# Altium PCB XDS110_MINI_REL_0_2_20211031.PcbDoc
Units mil, origin at the board's own origin, x right, y up, seen from the top; angles counter-clockwise.
Board outline 965 x 1676.48 mil, 4 copper layers (Top Layer, Layer 1, Layer 2, Bottom Layer), stack 30.394 mil thick; 78 components, 75 nets, 423 pads, 109 vias.
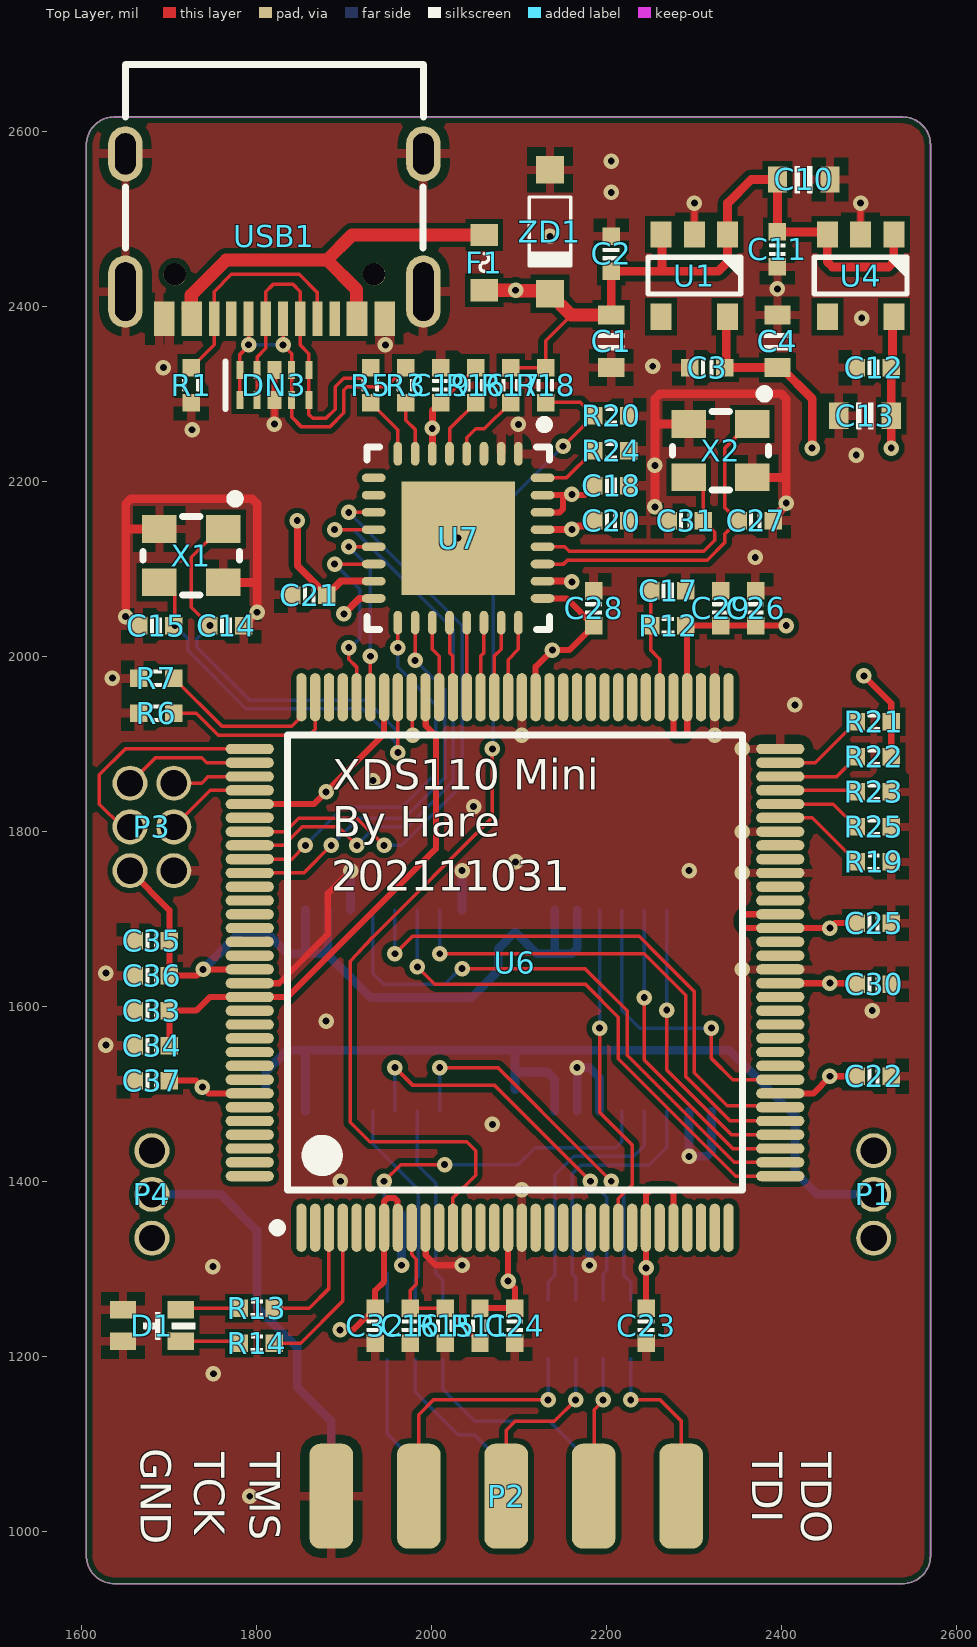
[diagram p0: Top Layer view]
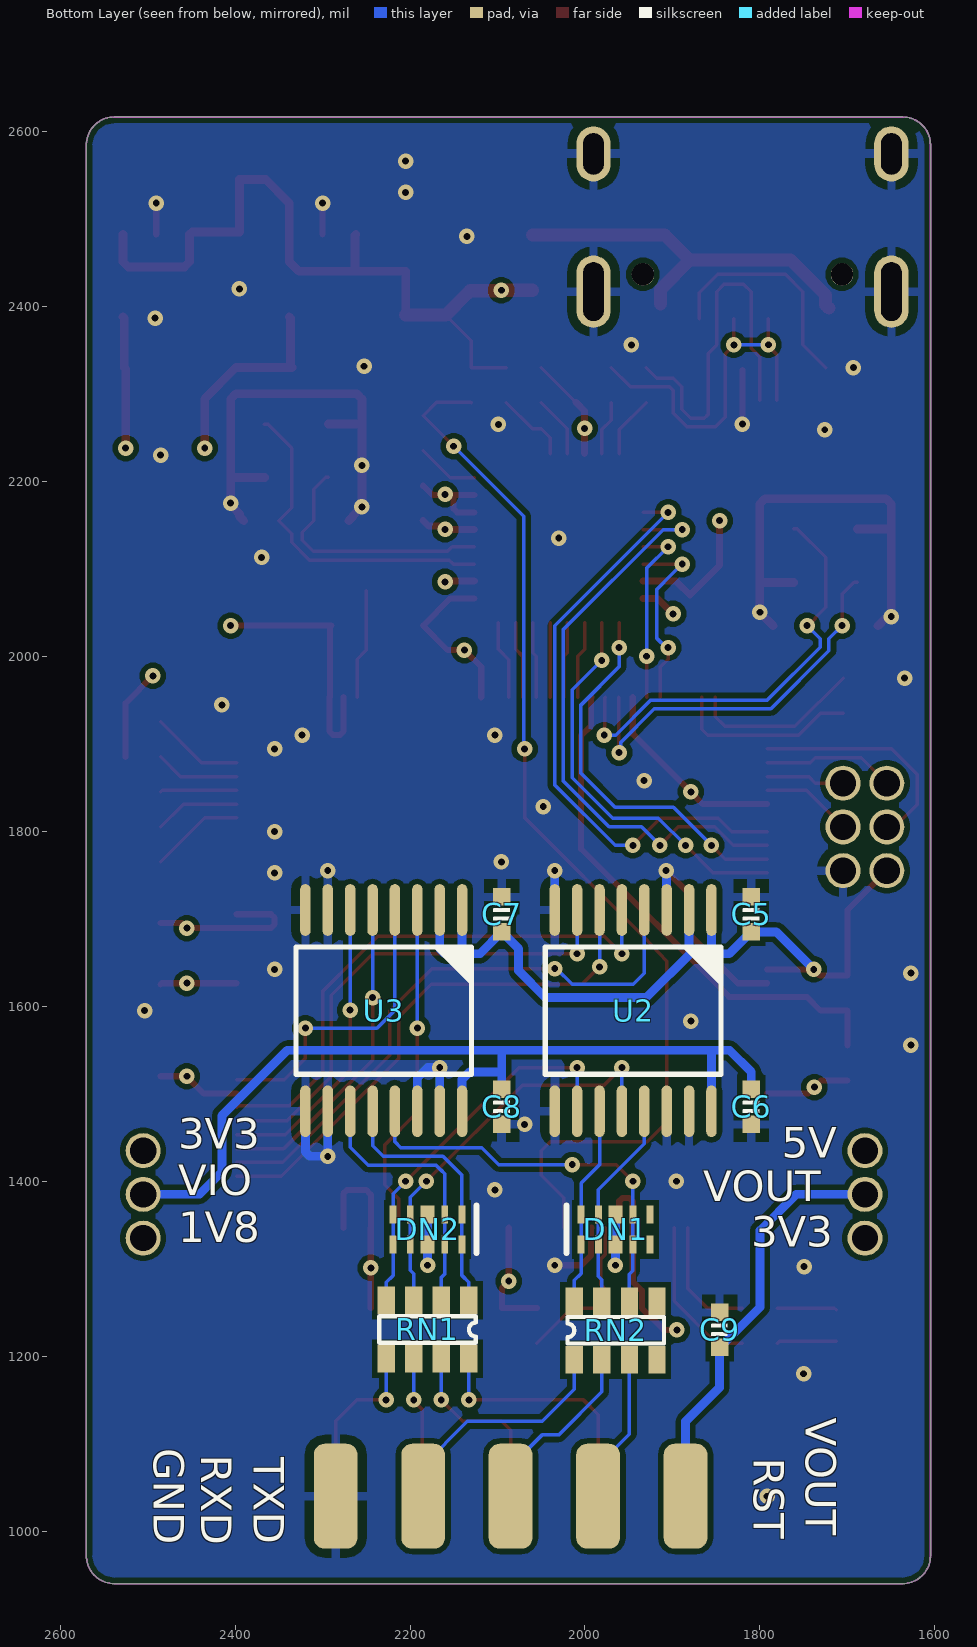
[diagram p1: Bottom Layer view, seen from below]
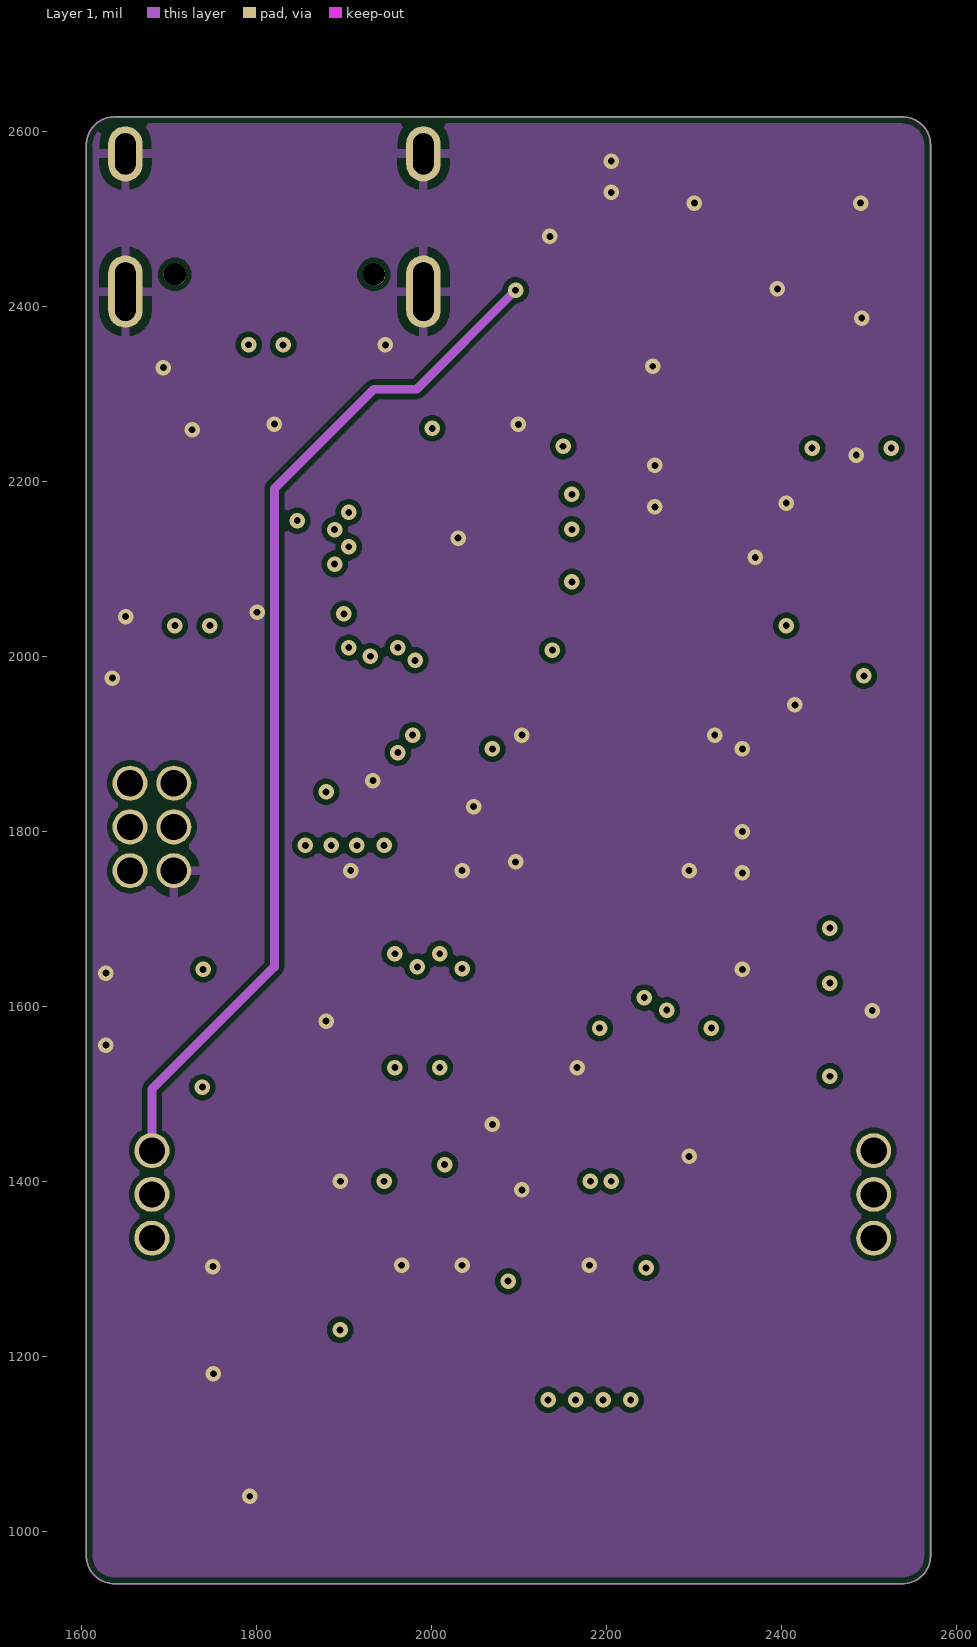
[diagram p2: Layer 1]
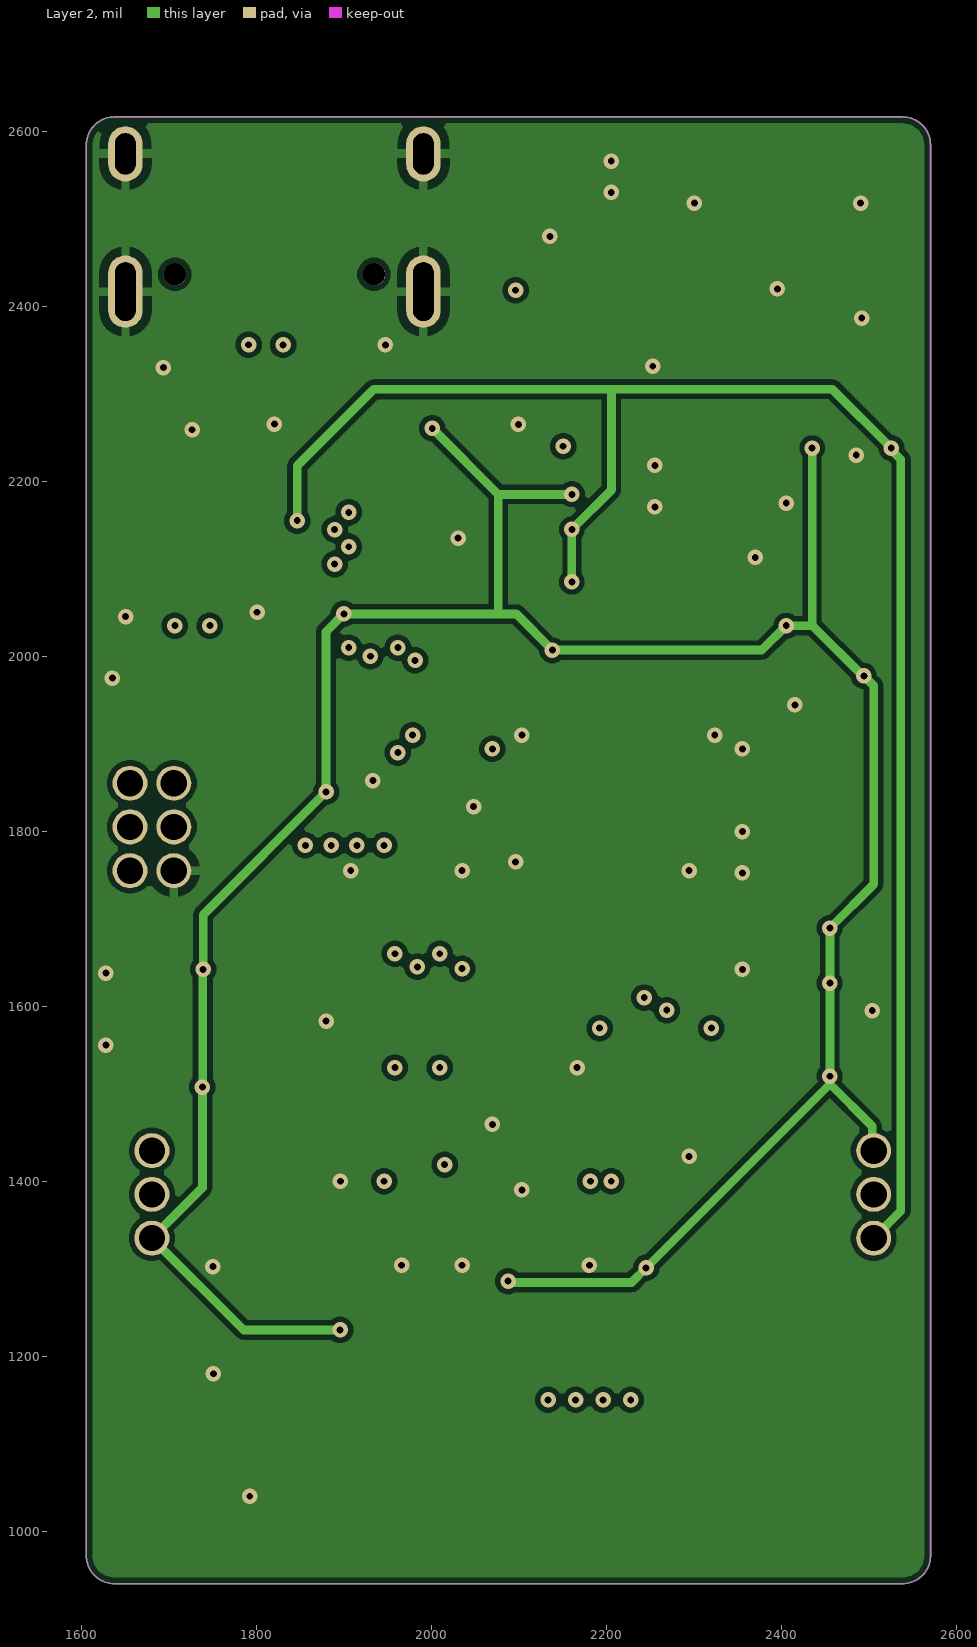
[diagram p3: Layer 2]
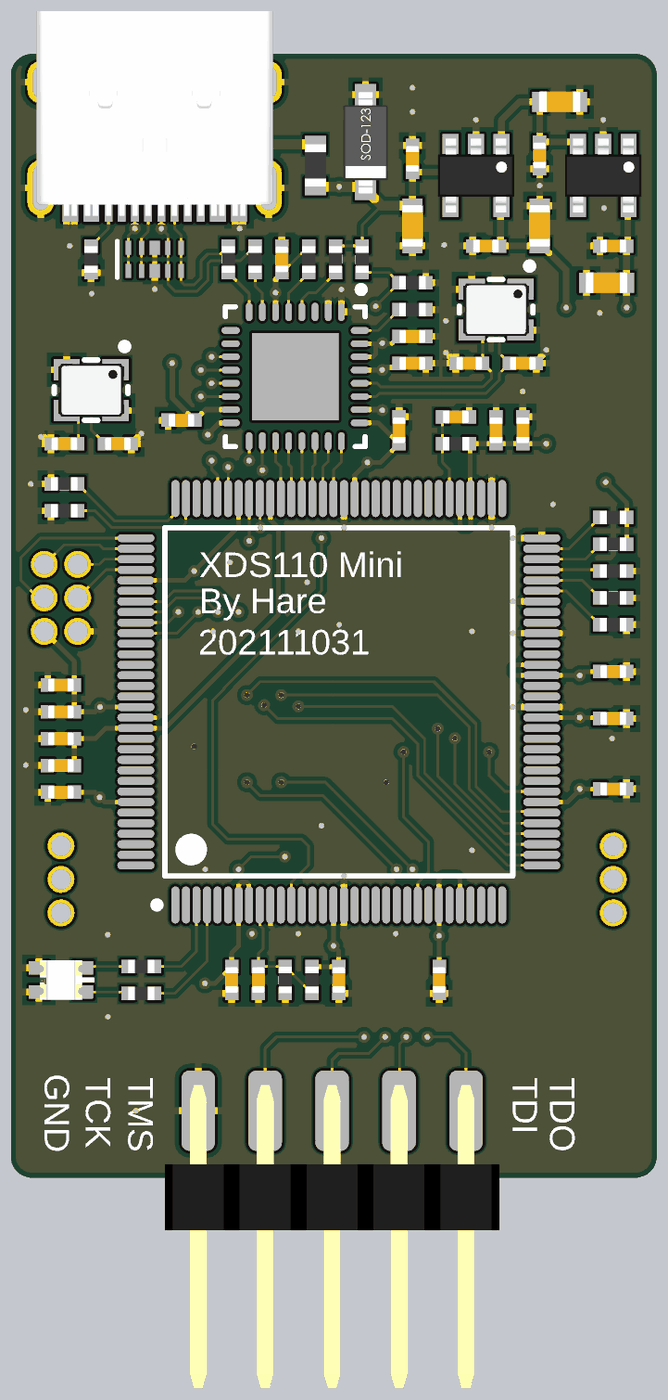
[diagram p4: 3D render of the assembled board from above, using the file's embedded part models]
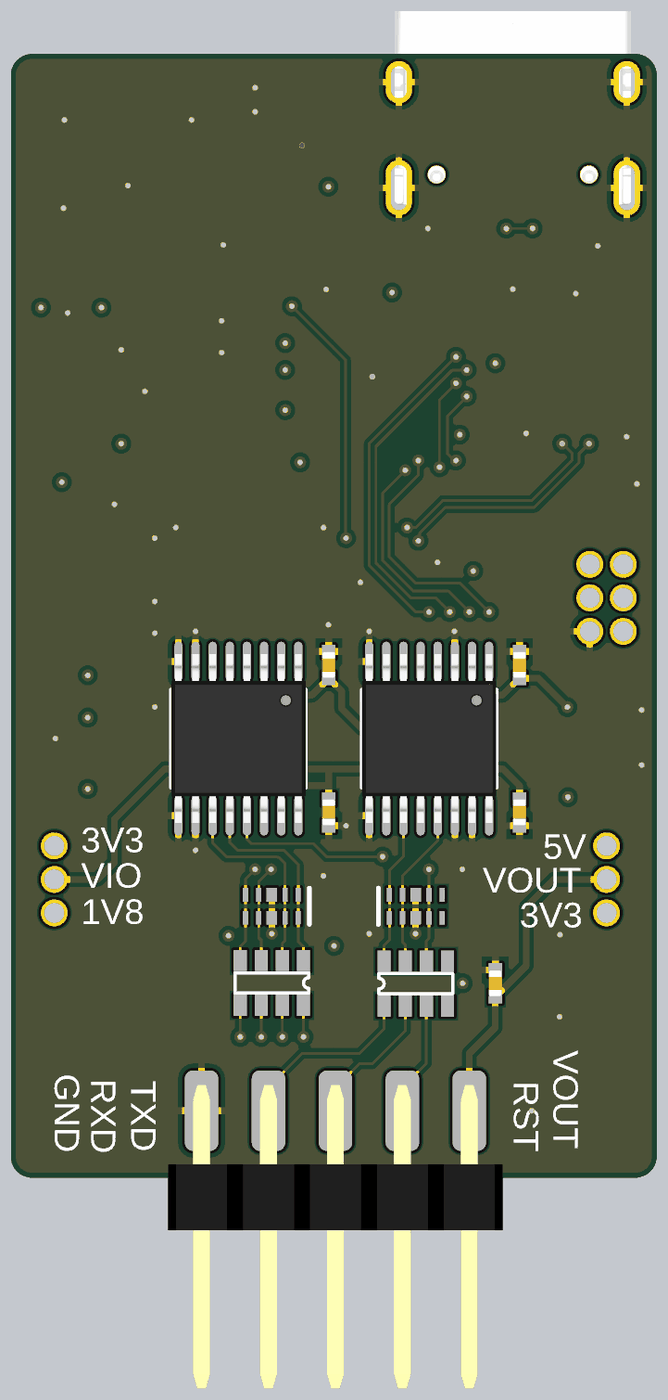
[diagram p5: 3D render of the assembled board from below, using the file's embedded part models]

## Layer stack, top to bottom
Top Solder: solder mask 0.3937, Solder Resist, Dk 3.5
Top Layer: signal copper 1.4173
Dielectric 2: prepreg 3.937, PP-006, Dk 4.1
Layer 1: signal copper 0.689
Dielectric 1: dielectric 18.3071, FR-4, Dk 4.8
Layer 2: signal copper 0.689
Dielectric 3: prepreg 3.937, PP-006, Dk 4.1
Bottom Layer: signal copper 1.4173
Bottom Solder: solder mask 0.3937, Solder Resist, Dk 3.5

## Board outline
1605,972.11 1605,2584.37 cw(c1637.11,2584.37) 1637.11,2616.48 2537.89,2616.48 cw(c2537.89,2584.37) 2570,2584.37 2570,971.99 cw(c2537.95,972.05) 2537.89,940 1637.11,940 cw(c1637.11,972.11)

## Design rules (kind name [scope] priority, off if disabled: settings)
Clearance [All] p1: gap=6 ignorepadtopadclearanceinfootprint=TRUE
ComponentClearance [All] p1: gap=0 collisioncheckmode=3 verticalgap=0 showdistances=FALSE
DiffPairsRouting [All] p1: maxlimit=10 minlimit=10 mostfreqgap=10 toplayer_minwidth=7.87 toplayer_maxwidth=15 toplayer_prefwidth=7.87 midlayer1_minwidth=7.87 midlayer1_maxwidth=15 midlayer1_prefwidth=7.87 midlayer2_minwidth=7.87 midlayer2_maxwidth=15 midlayer2_prefwidth=7.87 bottomlayer_minwidth=7.87 bottomlayer_maxwidth=15 bottomlayer_prefwidth=7.87 maxuncoupledlength=500
MatchedLengths SD_CARD_MatchedLengths [InNetClass('SD_CARD')] p1: tolerance=400 checknetsindiffpair=FALSE checkdiffpairvsdiffpair=TRUE checkxsignals=TRUE checkothers=TRUE
PolygonConnect PolygonConnect_Via [IsVia] p1: connectstyle=Direct reliefconductorwidth=10 reliefentries=4 polygonreliefangle="90 Angle" airgapwidth=10
PolygonConnect [All] p2: connectstyle=Relief reliefconductorwidth=10 reliefentries=4 polygonreliefangle="90 Angle" airgapwidth=10
RoutingVias [All] p1: holewidth=28 width=50 viastyle="Through Hole" minholewidth=7.87 minwidth=15.75 maxholewidth=28 maxwidth=50
SolderMaskExpansion [All] p1: expansion=4 istentingtop=FALSE
Width Width_PWR [InNetClass('PWR')] p1: maxlimit=23.62 minlimit=7.87 preferedwidth=10
Width [All] p2: maxlimit=393.7 minlimit=4 preferedwidth=8
28 further rules are at their usual default settings.

## Components (designator, comment, footprint, x,y, rotation, side; value= is the part's Value field where it differs from the comment)
C1 "10uF" CAP_0603 2205,2360 r90 top
C2 "100nF" CAP_0402 2205,2460 r270 top
C3 "100nF" CAP_0402 2315,2330 r0 top
C4 "10uF" CAP_0603 2395,2360 r270 top
C5 "100nF" CAP_0402 1810,1705 r90 bottom
C6 "100nF" CAP_0402 1810,1485 r90 bottom
C7 "100nF" CAP_0402 2095,1705 r90 bottom
C8 "100nF" CAP_0402 2095,1485 r90 bottom
C9 "100nF" CAP_0402 1846.14,1230 r270 bottom
C10 "10uF" CAP_0603 2425,2545 r180 top
C11 "100nF" CAP_0402 2395,2465 r90 top
C12 "100nF" CAP_0402 2505,2330 r0 top
C13 "10uF" CAP_0603 2495,2275 r0 top
C14 "12pF" CAP_0402 1765,2035 r180 top
C15 "12pF" CAP_0402 1685,2035 r0 top
C16 "100nF" CAP_0402 1975,1235 r90 top
C17 "100nF" CAP_0402 2270,2075 r180 top
C18 "2.2uF" CAP_0402 2205,2195 r180 top
C19 "100nF" CAP_0402 2010,2310 r270 top
C20 "2.2uF" CAP_0402 2205,2155 r180 top
C21 "100nF" CAP_0402 1860,2070 r0 top
C22 "100nF" CAP_0402 2505,1520 r180 top
C23 "100nF" CAP_0402 2245,1235 r90 top
C24 "100nF" CAP_0402 2095,1235 r90 top
C25 "2.2uF" CAP_0402 2505,1695 r180 top
C26 "2.2uF" CAP_0402 2370,2055 r270 top
C27 "12pF" CAP_0402 2370,2155 r180 top
C28 "100nF" CAP_0402 2185,2055 r270 top
C29 "100nF" CAP_0402 2330,2055 r270 top
C30 "100nF" CAP_0402 2505,1625 r180 top
C31 "12pF" CAP_0402 2290,2155 r0 top
C32 "100nF" CAP_0402 1935,1235 r90 top
C33 "1uF" CAP_0402 1680,1595 r0 top
C34 "2.2uF" CAP_0402 1680,1555 r0 top
C35 "100nF" CAP_0402 1680,1675 r0 top
C36 "100nF" CAP_0402 1680,1635 r0 top
C37 "100nF" CAP_0402 1680,1515 r0 top
D1 "=Value" LED_1616 1680,1235 r180 top
DN1 "AZ1045-04F" DFN-2510 1965,1345 r180 bottom
DN2 "AZ1045-04F" DFN-2510 2180,1345 r0 bottom
DN3 "AZ1045-04F" DFN-2510 1820,2310 r0 top
F1 "MF-FSMF050X-2" FUSE_0603 2060,2450 r270 top
P1 "DIP 1x3" HDR1X3_1.27_180 2505,1435 r0 top locked
P2 "IDC 2x5" HDR2X5_2.54_180H 2285,1040 r270 top
P3 "DIP 2x3" HDR2X3_1.27_180 1705,1755 r180 top locked
P4 "DIP 1x3" HDR1X3_1.27_180 1680,1335 r180 top locked
R1 "5.1K" RES_0402 1725,2310 r90 top
R3 "22R" RES_0402 1970,2310 r270 top
R5 "22R" RES_0402 1930,2310 r270 top
R6 "1K" RES_0402 1685,1935 r180 top
R7 "1K" RES_0402 1685,1975 r180 top
R11 "NC" RES_0402 2055,1235 r90 top
R12 "10K" RES_0402 2270,2035 r0 top
R13 "1K" RES_0402 1800,1255 r180 top
R14 "4.7K" RES_0402 1800,1215 r180 top
R15 "NC" RES_0402 2015,1235 r90 top
R16 "10K" RES_0402 2050,2310 r270 top
R17 "10K" RES_0402 2090,2310 r90 top
R18 "10K" RES_0402 2130,2310 r90 top
R19 "4.87K" RES_0402 2505,1765 r180 top
R20 "20K" RES_0402 2205,2275 r180 top
R21 "1K" RES_0402 2505,1925 r0 top
R22 "1K" RES_0402 2505,1885 r0 top
R23 "1K" RES_0402 2505,1845 r0 top
R24 "12K" RES_0402 2205,2235 r180 top
R25 "1K" RES_0402 2505,1805 r0 top
RN1 "100R" RES_0603X4 2180,1230 r0 bottom
RN2 "100R" RES_0603X4 1965,1230 r180 bottom
U1 "RT9013-33GB" SOT-23-5 2300,2435 r90 top
U2 "SN74AVC4T245PWR" TSSOP-16-P0.65 1945,1595 r0 bottom locked
U3 "SN74AVC4T245PWR" TSSOP-16-P0.65 2230,1595 r0 bottom locked
U4 "RT9013-18GB" SOT-23-5 2490,2435 r90 top
U6 "TM4C1294NCPDTT3R" LQFP-128 2095,1650 r0 top locked
U7 "USB3300-EZK" QFN-32-5x5-P0.5 2030,2135 r180 top locked
USB1 "Type-C" USB-Type-C 1820,2480 r90 top locked
X1 "12pF/20PPM" XTAL_2520-4 1725,2115 r180 top
X2 "12pF/20PPM" XTAL_2520-4 2330,2235 r180 top
ZD1 "Z5V1" SOD-123 2135,2485 r90 top

## Footprints (in the part's own frame and the unit in brackets; to place one, negate y for a bottom-side part, rotate by r counter-clockwise, add the part's x,y. Pads: shape width x height; smd on the part's side, far side on the other; paste and mask are expansions set on the pad)
CAP_0402 [mil]
  rect 20x20 smd: 1(-20,0) 2(20,0)
  silkscreen extent -7,-9 7,9, body extent -20,-10 20,10, height 20
CAP_0603 [mil]
  rect 22x30 smd: 1(-30,0) 2(30,0)
  silkscreen extent -10,-15 10,15, body extent -31,-16 31,16, height 31
DFN-2510 [mm]
  rect 0.2x0.525 smd: 1(-1,-0.437) 2(-0.5,-0.437) 4(0.5,-0.437) 5(1,-0.437) 6(1,0.437) 7(0.5,0.437) 9(-0.5,0.437) 10(-1,0.437)
  rect 0.4x0.525 smd: 3(0,-0.437) 8(0,0.437)
  silkscreen extent -1.42,-0.69 -1.42,0.69, body extent -1.25,-0.5 1.25,0.5, height 0.5
FUSE_0603 [mm]
  rect 0.65x0.8 smd: 1(-0.8,0) 2(0.8,0)
  silkscreen extent -0.25,-0.13 0.25,0.13, body extent -0.8,-0.4 0.8,0.4, height 0.45
HDR1X3_1.27_180 [mil]
  round 40 hole 30: 1(0,0) 2(0,-50) 3(0,-100)
HDR2X3_1.27_180 [mil]
  round 40 hole 30: 1(0,0) 2(50,0) 3(0,-50) 4(50,-50) 5(0,-100) 6(50,-100)
HDR2X5_2.54_180H [mil]
  rrect50% 120x50 smd: 1(0,0) 3(0,-100) 5(0,-200) 7(0,-300) 9(0,-400)
  rrect50% 120x50 smd far side: 2(0,0) 4(0,-100) 6(0,-200) 8(0,-300) 10(0,-400)
  body extent -38,-450 415,50, height 78
LED_1616 [mil]
  rect 30x20 smd: 1(33,-18) 2(33,18) 3(-33,18) 4(-33,-18)
  silkscreen extent -50,-16 10,16, body extent -31,-30 31,30, height 13
LQFP-128 [mm] "TSQFP, 128-Leads, Body 14.00x14.00mm, Pitch 0.40mm, IPC Medium Density"
  oval 0.3x1.4 smd: 1(-6.2,-7.7) 2(-5.8,-7.7) 3(-5.4,-7.7) 4(-5,-7.7) 5(-4.6,-7.7) 6(-4.2,-7.7) 7(-3.8,-7.7) 8(-3.4,-7.7) 9(-3,-7.7) 10(-2.6,-7.7) 11(-2.2,-7.7) 12(-1.8,-7.7) 13(-1.4,-7.7) 14(-1,-7.7) 15(-0.6,-7.7) 16(-0.2,-7.7) 17(0.2,-7.7) 18(0.6,-7.7) 19(1,-7.7) 20(1.4,-7.7) 21(1.8,-7.7) 22(2.2,-7.7) 23(2.6,-7.7) 24(3,-7.7) 25(3.4,-7.7) 26(3.8,-7.7) 27(4.2,-7.7) 28(4.6,-7.7) 29(5,-7.7) 30(5.4,-7.7) 31(5.8,-7.7) 32(6.2,-7.7) 65(6.2,7.7) 66(5.8,7.7) 67(5.4,7.7) 68(5,7.7) 69(4.6,7.7) 70(4.2,7.7) 71(3.8,7.7) 72(3.4,7.7) 73(3,7.7) 74(2.6,7.7) 75(2.2,7.7) 76(1.8,7.7) 77(1.4,7.7) 78(1,7.7) 79(0.6,7.7) 80(0.2,7.7) 81(-0.2,7.7) 82(-0.6,7.7) 83(-1,7.7) 84(-1.4,7.7) 85(-1.8,7.7) 86(-2.2,7.7) 87(-2.6,7.7) 88(-3,7.7) 89(-3.4,7.7) 90(-3.8,7.7) 91(-4.2,7.7) 92(-4.6,7.7) 93(-5,7.7) 94(-5.4,7.7) 95(-5.8,7.7) 96(-6.2,7.7)
  oval 1.4x0.3 smd: 33(7.7,-6.2) 34(7.7,-5.8) 35(7.7,-5.4) 36(7.7,-5) 37(7.7,-4.6) 38(7.7,-4.2) 39(7.7,-3.8) 40(7.7,-3.4) 41(7.7,-3) 42(7.7,-2.6) 43(7.7,-2.2) 44(7.7,-1.8) 45(7.7,-1.4) 46(7.7,-1) 47(7.7,-0.6) 48(7.7,-0.2) 49(7.7,0.2) 50(7.7,0.6) 51(7.7,1) 52(7.7,1.4) 53(7.7,1.8) 54(7.7,2.2) 55(7.7,2.6) 56(7.7,3) 57(7.7,3.4) 58(7.7,3.8) 59(7.7,4.2) 60(7.7,4.6) 61(7.7,5) 62(7.7,5.4) 63(7.7,5.8) 64(7.7,6.2) 97(-7.7,6.2) 98(-7.7,5.8) 99(-7.7,5.4) 100(-7.7,5) 101(-7.7,4.6) 102(-7.7,4.2) 103(-7.7,3.8) 104(-7.7,3.4) 105(-7.7,3) 106(-7.7,2.6) 107(-7.7,2.2) 108(-7.7,1.8) 109(-7.7,1.4) 110(-7.7,1) 111(-7.7,0.6) 112(-7.7,0.2) 113(-7.7,-0.2) 114(-7.7,-0.6) 115(-7.7,-1) 116(-7.7,-1.4) 117(-7.7,-1.8) 118(-7.7,-2.2) 119(-7.7,-2.6) 120(-7.7,-3) 121(-7.7,-3.4) 122(-7.7,-3.8) 123(-7.7,-4.2) 124(-7.7,-4.6) 125(-7.7,-5) 126(-7.7,-5.4) 127(-7.7,-5.8) 128(-7.7,-6.2)